# Altium PCB 延迟测试器.PcbDoc
Units mil, origin at the board's own origin, x right, y up, seen from the top; angles counter-clockwise.
Board outline 2134.39 x 1385.68 mil, 2 copper layers (Top Layer, Bottom Layer); 66 components, 49 nets, 282 pads, 193 vias.
Unrouted connection lines stored in the file: 163.
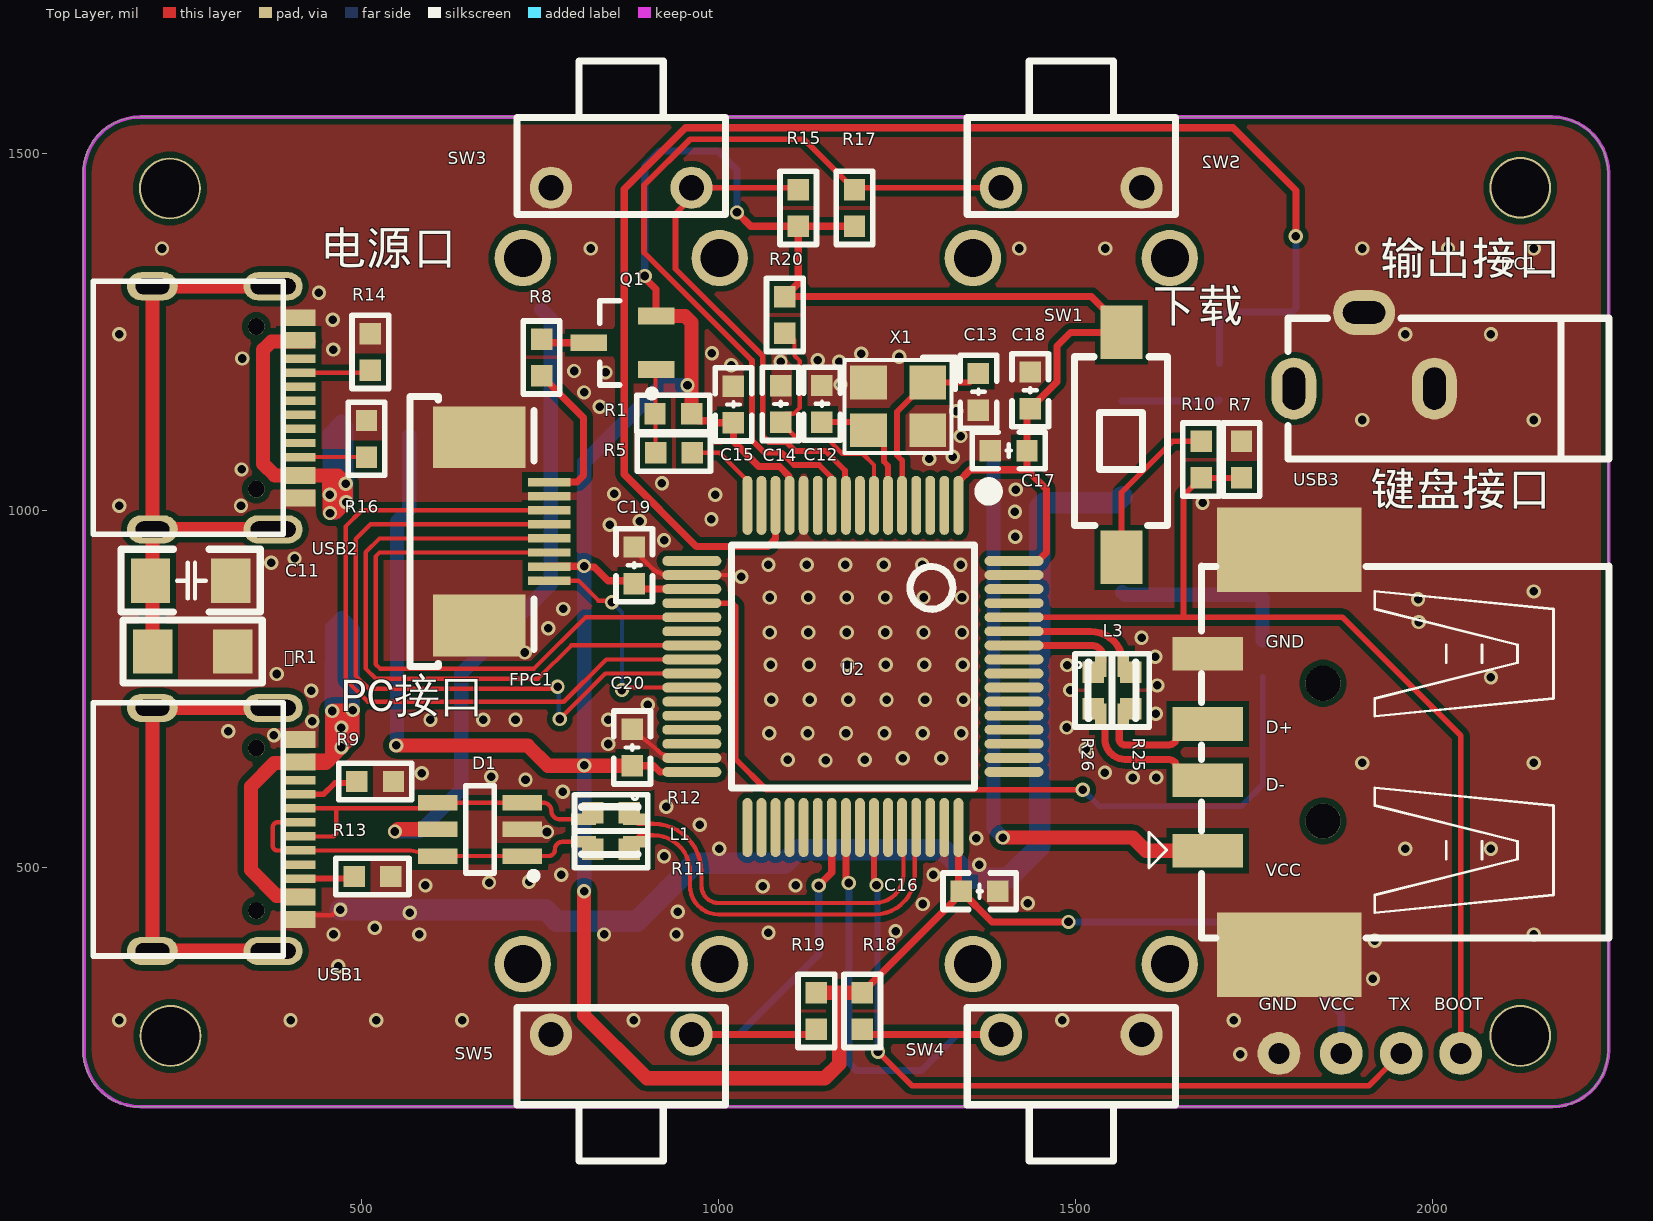
[diagram p0: Top Layer view]
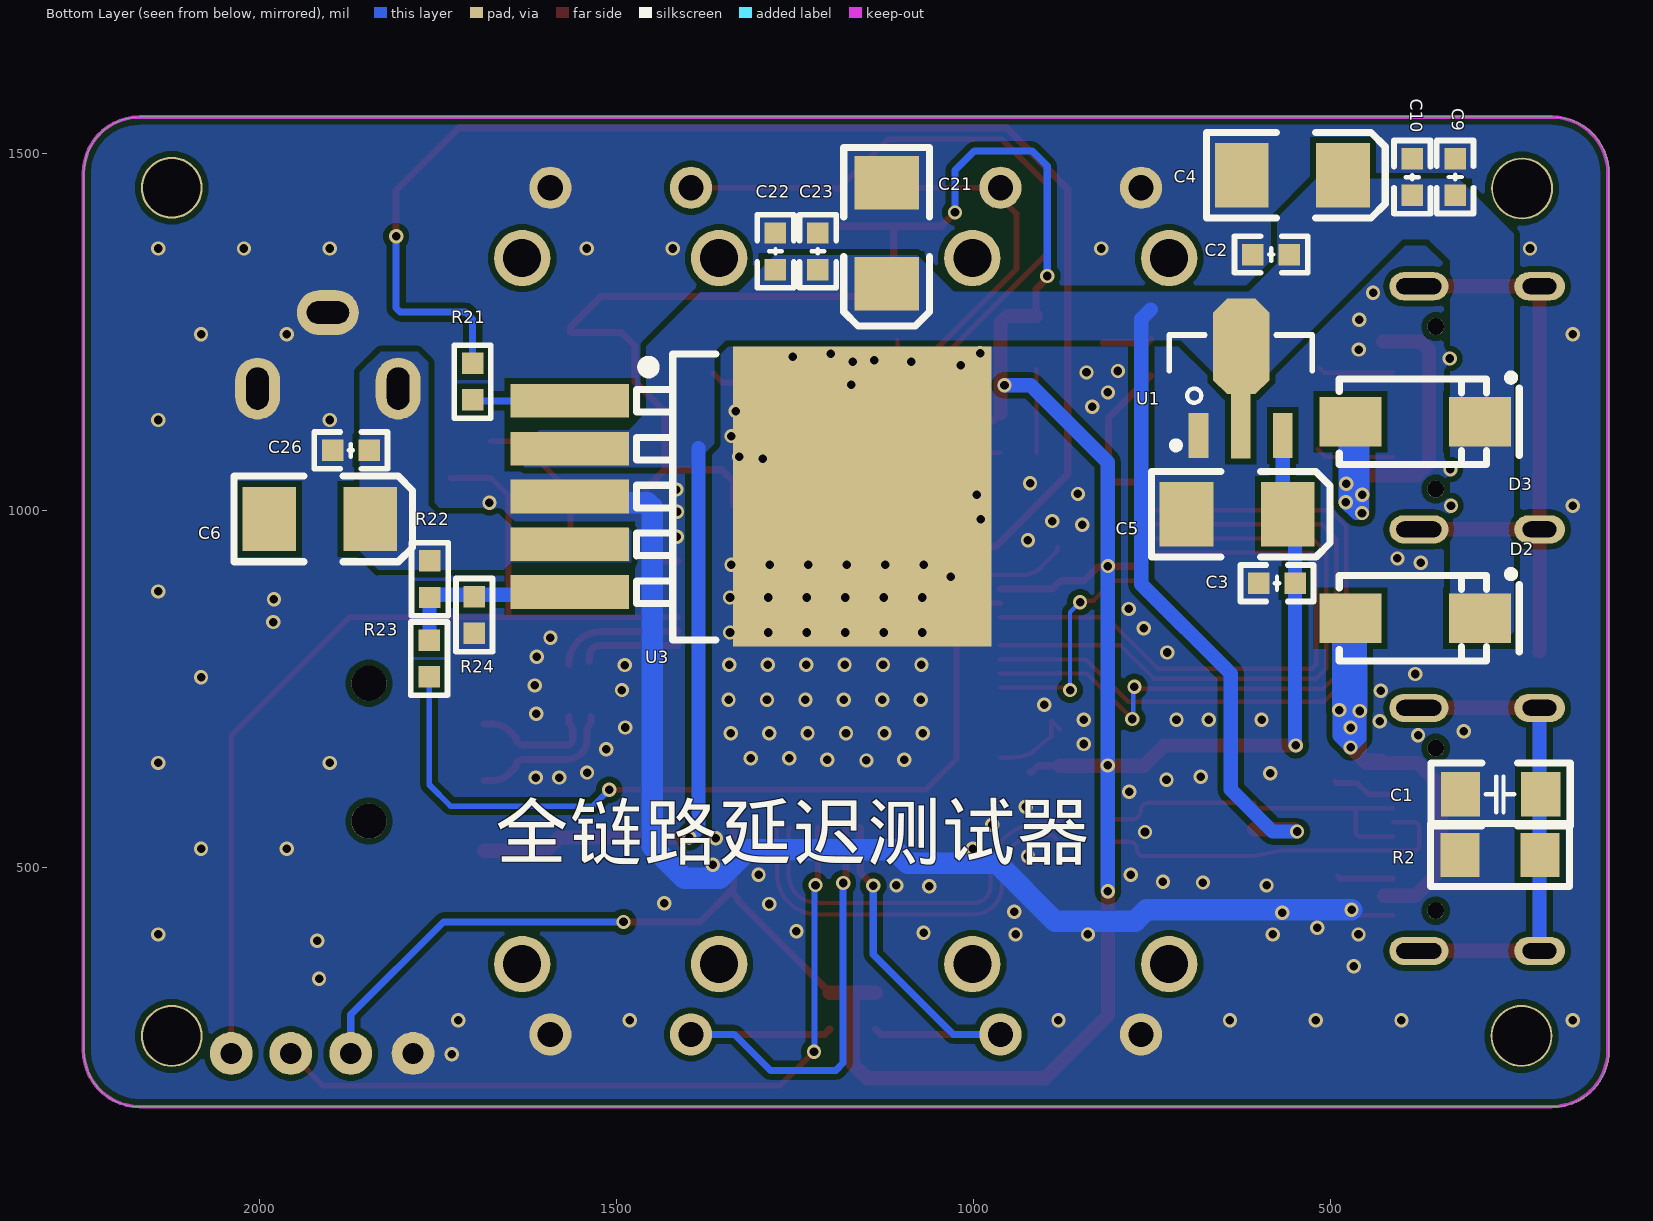
[diagram p1: Bottom Layer view, seen from below]
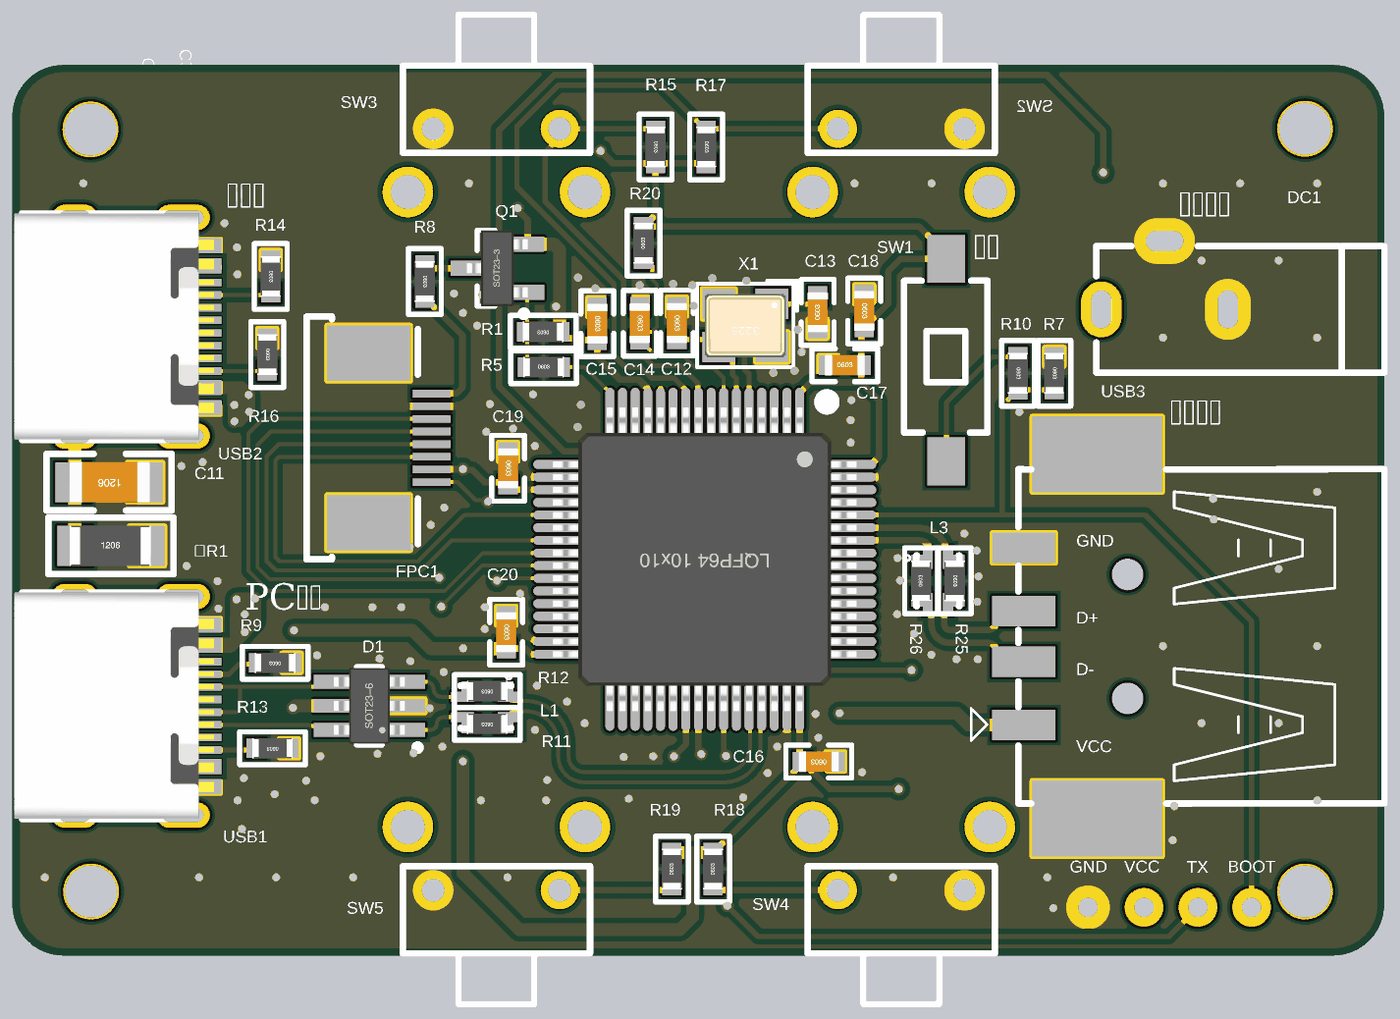
[diagram p2: 3D render of the assembled board from above, using the file's embedded part models]
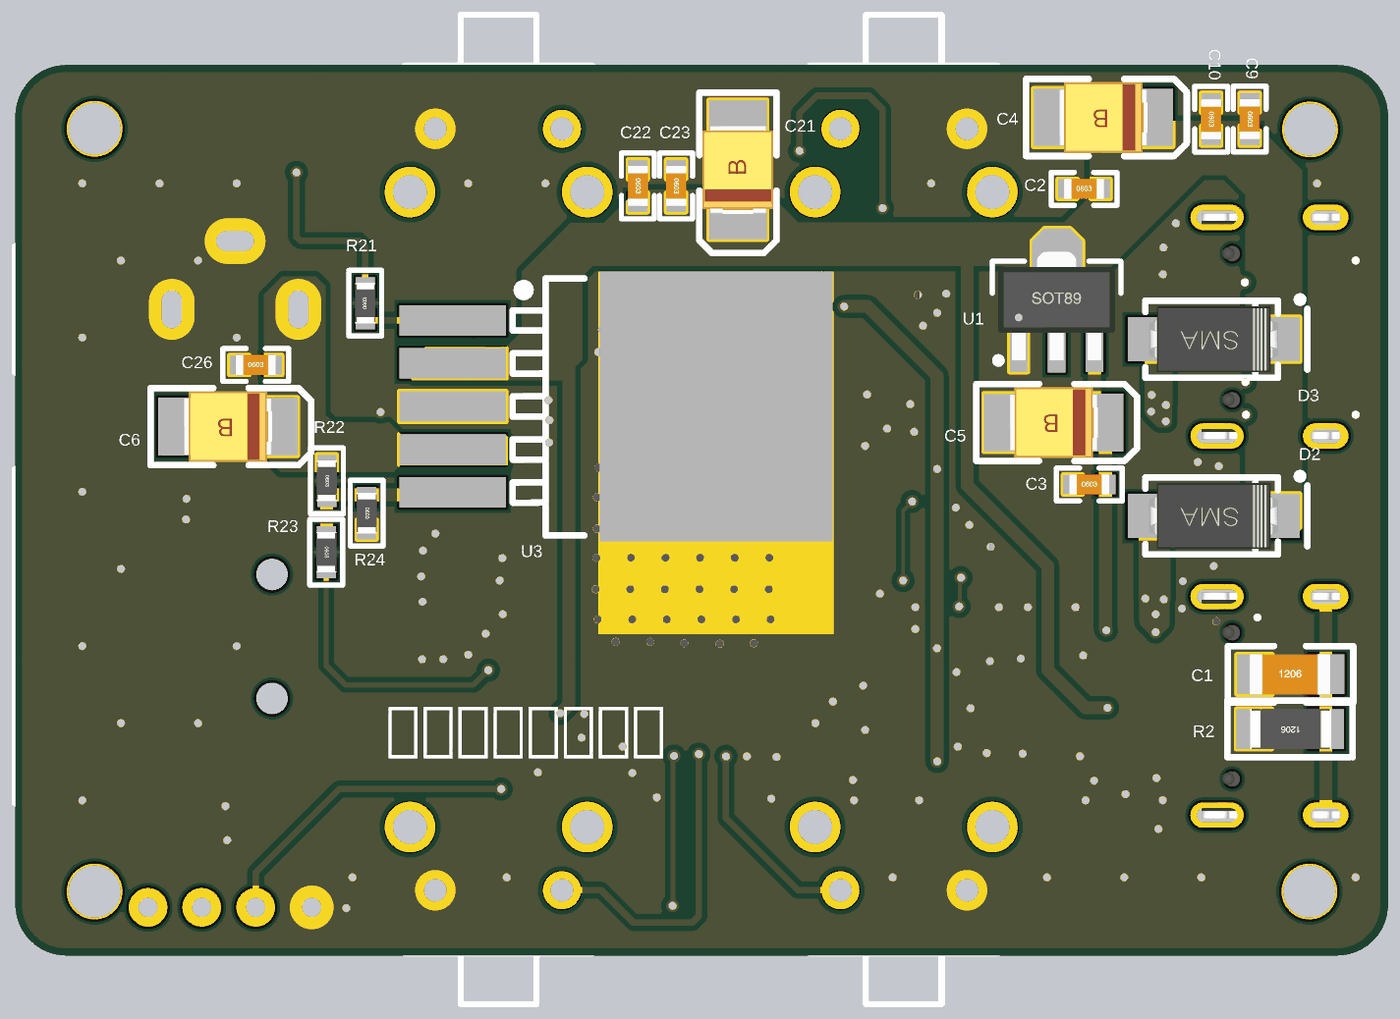
[diagram p3: 3D render of the assembled board from below, using the file's embedded part models]

## Layer stack, top to bottom
Top Solder: solder mask 0.4, Solder Resist, Dk 3.5
Top Layer: signal copper 1.4
Dielectric 1: dielectric 12.6, FR-4, Dk 4.8
Bottom Layer: signal copper 1.4
Bottom Solder: solder mask 0.4, Solder Resist, Dk 3.5

## Board outline
110.95,244.07 ccw(c189.95,244.07) 189.95,165.06 2166.33,165.06 ccw(c2166.33,244.07) 2245.34,244.07 2245.34,1471.73 ccw(c2166.33,1471.73) 2166.33,1550.74 189.95,1550.74 ccw(c189.95,1471.73) 110.95,1471.73

## Design rules (kind name [scope] priority, off if disabled: settings)
Clearance [All] p1: gap=8 ignorepadtopadclearanceinfootprint=TRUE except(6: Arc-SMDPad Track-SMDPad SMDPad-SMDPad; 7: Arc-Arc Arc-Track Track-Track)
ComponentClearance ComponentClearance_1 [InComponent('L3')] p1: gap=0 collisioncheckmode=3 verticalgap=0 showdistances=FALSE
ComponentClearance [All] p2: gap=0 collisioncheckmode=3 verticalgap=0 showdistances=FALSE
DiffPairsRouting [All] p1: maxlimit=10 minlimit=8 mostfreqgap=10 toplayer_minwidth=6 toplayer_maxwidth=15 toplayer_prefwidth=15 bottomlayer_minwidth=6 bottomlayer_maxwidth=15 bottomlayer_prefwidth=15 maxuncoupledlength=500
MinimumSolderMaskSliver [All] p1: minsoldermaskwidth=0
PolygonConnect [All] p1: connectstyle=Direct reliefconductorwidth=10 reliefentries=4 polygonreliefangle="90 Angle" airgapwidth=10
RoutingVias [All] p1: holewidth=12 width=20 viastyle="Through Hole" minholewidth=12 minwidth=20 maxholewidth=12 maxwidth=20
SilkToSolderMaskClearance [IsPad] p1: minsilkscreentomaskgap=1 clearancetoexposedcopper=TRUE
SolderMaskExpansion [All] p1: expansion=4 istentingtop=FALSE
Width [All] p1: maxlimit=100 minlimit=6 preferedwidth=10
26 further rules are at their usual default settings.

## Components (designator, comment, footprint, x,y, rotation, side; value= is the part's Value field where it differs from the comment)
R1 "1M" "R 1206_L" 263.25,802.5 r0 top
C1 "1000pF/2kV" "C 1206_L" 263.34,602.5 r180 bottom
C2 "100nF" "C 0603_L" 558,1358 r180 bottom
C3 "100nF" "C 0603_L" 549.82,898 r180 bottom
C4 "22uF钽电容" "CD B(3528)" 624.73,1469 r0 bottom
C5 "22uF钽电容" "CD B(3528)" 701.99,994.5 r0 bottom
C6 "47uF钽电容" "CD B(3528)" 1986,988 r0 bottom
C9 "10uF" "C 0603_L" 326,1441 r270 bottom
C10 "100nF" "C 0603_L" 386,1440.82 r270 bottom
C11 "1000pF/2kV" "C 1206_L" 262.34,901.5 r180 top
C12 "12pF" "C 0603_L" 1144.96,1123.58 r270 top
C13 "12pF" "C 0603_L" 1363.92,1191.51 r90 top
C14 "100nF" "C 0603_L" 1087.13,1123.39 r270 top
C15 "100nF" "C 0603_L" 1021.01,1122.65 r270 top
C16 "100nF" "C 0603_L" 1339.99,466.86 r180 top
C17 "100nF" "C 0603_L" 1431.91,1083.62 r0 top
C18 "10uF" "C 0603_L" 1436.46,1142.47 r270 top
C19 "10uF" "C 0603_L" 882.25,897.5 r270 top
C20 "10uF" "C 0603_L" 879.25,642.5 r270 top
C21 "22uF钽电容" "CD B(3528)" 1121.77,1458.75 r90 bottom
C22 "10uF" "C 0603_L" 1277.39,1337.04 r270 bottom
C23 "100nF" "C 0603_L" 1217.99,1337.04 r270 bottom
C26 "100nF" "C 0603_L" 1846,1084 r180 bottom
D1 "USBLC6-2SC6" SOT23-6M 725.36,590.9 r90 top
D2 "SS24" SMA 382,849 r180 bottom
D3 "SS24" SMA 382,1124 r180 bottom
DC1 "DC-002-2.0A-1.3" DC-IN-TH_DC-002-2.0A-1.3 1903.73,1223.65 r180 top locked
FPC1 "屏幕接口" FPC-SMD_AFC07-S08FCA-00 714.25,970.5 r270 top
L1 "90R/100MHZ/NC" 2012-L 811.25,567.5 r180 top
L3 "90R/100MHZ/NC" 2012-L 1535.24,711.67 r270 top
Q1 "SS8550" SOT23L 865.5,1234.5 r180 top
R1 "10k" "R 0603_L" 911.25,1135.5 r180 top
R2 "1M" "R 1206_L" 262.25,517.5 r0 bottom
R5 "1k" "R 0603_L" 963.25,1080.5 r0 top
R7 "10k" "R 0603_L" 1732.19,1045.54 r270 top
R8 "62R" "R 0603_L" 752.51,1188.33 r270 top
R9 "5.1k" "R 0603_L" 494.07,620.5 r180 top
R10 "1k" "R 0603_L" 1675.67,1045.35 r270 top
R11 "0R" "R 0603_L" 824.25,525.5 r180 top
R12 "0R" "R 0603_L" 824.25,576.5 r180 top
R13 "5.1k" "R 0603_L" 490.07,487.5 r180 top
R14 "5.1k" "R 0603_L" 512.86,1196.11 r270 top
R15 "10k" "R 0603_L" 1111.72,1397.66 r270 top
R16 "5.1k" "R 0603_L" 507.54,1074.6 r270 top
R17 "10k" "R 0603_L" 1190.49,1397.66 r270 top
R18 "10k" "R 0603_L" 1201.27,325.03 r90 top
R19 "10k" "R 0603_L" 1137.11,325.03 r90 top
R20 "10K" "R 0603_L" 1093,1299.18 r90 top
R21 "1k" "R 0603_L" 1701.25,1205.68 r90 bottom
R22 "10k" "R 0603_L" 1761,878 r270 bottom
R23 "10k" "R 0603_L" 1762,767 r270 bottom
R24 "10k" "R 0603_L" 1699,827.82 r270 bottom
R25 "0R" "R 0603_L" 1577.24,722.5 r270 top
R26 "0R" "R 0603_L" 1524.74,773.68 r90 top
SW1 "3x6x5" SW-SMD_L6.0-W3.3-LS8.0 1564.12,1091.53 r270 top
SW2 "3x6x5" SW-TH_4P-L7.4-W5.0-P5.0#1 1493.96,1402.29 r0 top locked
SW3 "3x6x5" SW-TH_4P-L7.4-W5.0-P5.0#2 864.04,1402.29 r180 top locked
SW4 "3x6x5" SW-TH_4P-L7.4-W5.0-P5.0#2 1493.96,315.71 r0 top locked
SW5 "3x6x5" SW-TH_4P-L7.4-W5.0-P5.0#1 864.04,315.71 r180 top locked
U1 "CE6210A33P" SOT89-3 567.2,1104.63 r180 bottom
U2 "CH32V305RBT6" "LQFP64 10x10_M" 1188.25,781.5 r180 top locked
U3 "D2652-AD" TO-263-5_L10.2-W8.9-P1.70-TL-LS15.2 1360.55,1019.43 r180 bottom
USB1 "USB TYPE C" "TYPE-C 16PIN 2MD(073)" 310.25,553.5 r270 top
USB2 "USB TYPE C" "TYPE-C 16PIN 2MD(073)" 310.25,1143.5 r270 top
USB3 "USB母座" USB-A/S_B 1846.25,661.5 r90 top locked
X1 "24MHZ" "OSC 3225-4P" 1210.05,1178.89 r180 top

## Footprints (in the part's own frame and the unit in brackets; to place one, negate y for a bottom-side part, rotate by r counter-clockwise, add the part's x,y. Pads: shape width x height; smd on the part's side, far side on the other; paste and mask are expansions set on the pad)
2012-L [mm]
  rect 0.9x0.4 smd: 1(-1.85,0) 2(0,0) 3(0,0.8) 4(-1.85,0.8)
  silkscreen extent -1.93,-0.9 0.07,1.25
"C 0603_L" [mil]
  rect 30x30 smd: 1(-51.18,0) 2(0,0)
  silkscreen extent -77,-26 26,26, body extent -57,-16 6,16, height 32
"C 1206_L" [mil] "无极性贴片电容"
  rect 55x62 smd: 1(-55.12,0) 2(57.09,0)
  silkscreen extent -96,-44 98,44, body extent -63,-32 63,32, height 48
"CD B(3528)" [mil] "长3.5mm，宽2.8mm，厚1.9mm"
  rect 75x90 smd: 1(-141.73,0) 2(0,0)
  silkscreen extent -201,-60 49,60, body extent -140,-55 -2,55, height 75
DC-IN-TH_DC-002-2.0A-1.3 [mm]
  oval 1.6x2.2 hole 0.8 slot 1.5 at 90 deg: 1(2.5,1.35) 2(-2.5,1.35)
  oval 2.2x1.6 hole 0.8 slot 1.5 at 0 deg: 3(0,-1.35)
  silkscreen extent -8.7,-1.15 2.7,3.85
FPC-SMD_AFC07-S08FCA-00 [mm]
  rect 0.3x1.5 smd: 1(-1.751,1.243) 2(-1.252,1.243) 3(-0.753,1.243) 4(-0.252,1.243) 5(0.248,1.243) 6(0.748,1.243) 7(1.249,1.243) 8(1.749,1.243)
  rect 2.2x3.3 smd: 9(-3.35,-1.243) 10(3.35,-1.243)
  silkscreen extent -4.8,-3.7 4.8,0.7
"LQFP64 10x10_M" [mm] "64脚，体宽10x10mm，脚距0.5mm"
  oval 0.35x2.1 smd: 1(-3.75,-5.727) 2(-3.25,-5.727) 3(-2.75,-5.727) 4(-2.25,-5.727) 5(-1.75,-5.727) 6(-1.25,-5.727) 7(-0.75,-5.727) 8(-0.25,-5.727) 9(0.25,-5.727) 10(0.75,-5.727) 11(1.25,-5.727) 12(1.75,-5.727) 13(2.25,-5.727) 14(2.75,-5.727) 15(3.25,-5.727) 16(3.75,-5.727) 33(3.75,5.727) 34(3.25,5.727) 35(2.75,5.727) 36(2.25,5.727) 37(1.75,5.727) 38(1.25,5.727) 39(0.75,5.727) 40(0.25,5.727) 41(-0.25,5.727) 42(-0.75,5.727) 43(-1.25,5.727) 44(-1.75,5.727) 45(-2.25,5.727) 46(-2.75,5.727) 47(-3.25,5.727) 48(-3.75,5.727)
  oval 2.1x0.35 smd: 17(5.727,-3.75) 18(5.727,-3.25) 19(5.727,-2.75) 20(5.727,-2.25) 21(5.727,-1.75) 22(5.727,-1.25) 23(5.727,-0.75) 24(5.727,-0.25) 25(5.727,0.25) 26(5.727,0.75) 27(5.727,1.25) 28(5.727,1.75) 29(5.727,2.25) 30(5.727,2.75) 31(5.727,3.25) 32(5.727,3.75) 49(-5.727,3.75) 50(-5.727,3.25) 51(-5.727,2.75) 52(-5.727,2.25) 53(-5.727,1.75) 54(-5.727,1.25) 55(-5.727,0.75) 56(-5.727,0.25) 57(-5.727,-0.25) 58(-5.727,-0.75) 59(-5.727,-1.25) 60(-5.727,-1.75) 61(-5.727,-2.25) 62(-5.727,-2.75) 63(-5.727,-3.25) 64(-5.727,-3.75)
  silkscreen extent -5.08,-6.47 4.32,4.32, body extent -6,-6 6,6, height 1.45
"OSC 3225-4P" [mm] "3.2*2.5*0.7mm(长宽高)"
  rect 1.3x1.2 smd: 1(-2.1,0) 2(0,0) 3(0,1.7) 4(-2.1,1.7)
  silkscreen extent -3.08,-0.9 0.85,2.5, body extent -2.65,-0.4 0.55,2.1, height 0.7
"R 0603_L" [mil]
  rect 30x30 smd: 1(-51.18,0) 2(0,0)
  silkscreen extent -77,-26 26,26, body extent -57,-16 6,16, height 16
"R 1206_L" [mil] "1/4W贴片电阻"
  rect 55x62 smd: 1(-55.12,0) 2(57.09,0)
  silkscreen extent -96,-44 98,44, body extent -63,-31 63,32, height 22
SMA [mm] "4.5x2.6*2.2mm（长宽高，不包括引脚）联系卖家 免费查找封装"
  rect 2.2x1.75 smd: 1(-2.3,0) 2(2.3,0)
  silkscreen extent -2.7,-1.52 3.7,1.7, body extent -2.55,-1.3 2.55,1.3, height 2.15
SOT23-6M [mm] "3x1.6x1.1mm(长宽高)"
  rect 0.55x1.4 smd: 1(-1.9,0) 2(-0.95,0) 3(0,0) 4(0,3) 5(-0.95,3) 6(-1.9,3)
  silkscreen extent -2.73,-0.53 0.6,2.01, body extent -2.45,0.1 0.55,2.9, height 1.15
SOT23L [mm] "SOT23, 3-Leads, Body 2.9x1.3mm, Pitch 0.95mm, Lead Span 2.4mm, IPC Medium Density  联系卖家 免费查找封装"
  rect 1.3x0.6 smd: 1(-1.2,0.95) 2(-1.2,-0.95) 3(1.2,0)
  silkscreen extent -1.18,-1.5 0.8,1.92, body extent -1.2,-1.5 1.2,1.5, height 1.05
SOT89-3 [mm] "4.6x4.3x1.6mm(长宽高)"
  rect 0.7x1.6 smd: 1(-3,0) 3(0,0)
  rect 0.7x2.4 smd: 2(-1.5,0.378)
  oct 2x3.4 smd: 2(-1.475,3.172)
  silkscreen extent -4.04,-0.47 1.04,3.58, body extent -3.8,-0.35 0.8,3.95, height 1.6
SW-SMD_L6.0-W3.3-LS8.0 [mm]
  rect 1.9x1.5 smd: 1(-4,0) 2(4,0)
  silkscreen extent -3.14,-1.67 2.86,1.63
SW-TH_4P-L7.4-W5.0-P5.0#1 [mm]
  round 1.5 hole 0.9 paste-2539.97 mask+0.05: 1(-2.5,1.25) 2(2.5,1.25)
  round 2 hole 1.35 paste-2539.97 mask+0.05: 3(3.5,-1.25) 4(-3.5,-1.25)
  silkscreen extent -3.7,0.3 3.7,5.75
SW-TH_4P-L7.4-W5.0-P5.0#2 [mm]
  round 1.5 hole 0.9 paste-2539.97 mask+0.05: 1(-2.5,-1.25) 2(2.5,-1.25)
  round 2 hole 1.35 paste-2539.97 mask+0.05: 3(3.5,1.25) 4(-3.5,1.25)
  silkscreen extent -3.7,-5.75 3.7,-0.3
TO-263-5_L10.2-W8.9-P1.70-TL-LS15.2 [mm]
  rect 4.2x1.2 smd: 1(-5.199,3.4) 2(-5.199,1.7) 3(-5.199,0) 4(-5.199,-1.7) 5(-5.199,-3.4)
  rect 9.2x10.668 smd paste+0 mask+0.05: 6(5.199,0)
  silkscreen extent -2.83,-5.1 0,5.06
"TYPE-C 16PIN 2MD(073)" [mm]
  oval 1x2.1 hole 0.56 slot 1.6 at 90 deg: A0(-4.32,1.69) A0(4.32,1.69)
  oval 1x1.8 hole 0.56 slot 1.2 at 90 deg: A0(-4.32,-2.6) A0(4.32,-2.6)
  rect 0.3x1.2 smd mask+0.051: A1(-3.35,2.6) A4(-2.55,2.6) A5(-1.25,2.6) A6(-0.25,2.6) A7(0.25,2.6) A8(1.25,2.6) A9(2.55,2.6) A12(3.35,2.6) B1(3.05,2.6) B4(2.25,2.6) B5(1.75,2.6) B6(0.75,2.6) B7(-0.75,2.6) B8(-1.75,2.6) B9(-2.25,2.6) B12(-3.05,2.6)
  round 0.6 hole 0.6 unplated: ""(-2.89,1.09) ""(2.89,1.09)
  silkscreen extent -4.5,-4.7 4.5,2.05, body extent -4.48,-5 4.46,2.9, height 3.25
USB-A/S_B [mm] "A型贴片母头，"
  rect 1.2x2.5 smd: 1(-3.5,4.1) 2(-1,4.1) 3(1,4.1) 4(3.5,4.1)
  rect 3x5.15 smd: 5(7.2,1.2) 6(-7.2,1.2)
  round 1.25 hole 1.25 unplated: 7(-2.45,0) 8(2.45,0)
  silkscreen extent -6.6,-10.16 6.61,6.19, body extent -7.75,-9.9 7.75,4.8, height 6.9

## Part data
R1 R1 R2 R5 R7 R8 R10 R11 R12 R15 R17 R18 R19 R20 R21 R22 R23 R24 R25 R26: library part R, "贴片电阻"
C1 C9 C10 C11 C12 C13 C14 C15 C16 C17 C18 C19 C20 C23 C26: library part C, "无极性贴片电容"
C2 C3: library part CC0603KRX7R9BB104, "容值:100nF;精度:±10%;额定电压:50V;材质(温度系数):X7R;", JLCPCB Part Class="Basic Part", LCSC Part Name="100nF ±10% 50V", Manufacturer=YAGEO(国巨), Temperature Coefficient=X7R, Tolerance=±10%, Voltage Rated=50V, Add into BOM=yes, Convert to PCB=yes, Datasheet=https://atta.szlcsc.com/upload/public/pdf/source/20180910/C282072_33301C7F631E79921B82A8DAC6BCC5B3.pdf, Device=CC0603KRX7R9BB104, Manufacturer Part=CC0603KRX7R9BB104, Supplier=LCSC, Supplier Footprint=0603, Supplier Part=C14663, Symbol=capacitance
C4 C5 C6 C21: library part C-CD, "贴片钽电容"
C22: library part C_2, "无极性贴片电容"
D1: "TVS/ESD"
D2 D3: library part 1N5819WS, "肖特基二极管"
DC1: Current Rating=2A, JLCPCB Part Class="Extended Part", LCSC Part Name="DC电源插座 内径:1.3mm 外径:4.2mm", Manufacturer="XKB Connection(中国星坤)", Operating Temperature=-20℃~+70℃, Voltage Rating (Max)=24V, Add into BOM=yes, Connector Type=DC电源插座, Convert to PCB=yes, Datasheet=https://item.szlcsc.com/datasheet/DC-002-2.0A-1.3/353351.html, Device=DC-002-2.0A-1.3, Inside Contact Diameter=1.3mm, Manufacturer Part=DC-002-2.0A-1.3, Mounting Type=弯插, Outside Contact Diameter=4.2mm, Supplier=LCSC, Supplier Footprint=插件, Supplier Part=C381119, Symbol=DC-002-2.0A-1.3
FPC1: library part AFA07-S08FCA-00, JLCPCB Part Class="Extended Part", LCSC Part Name="间距:1mm P数:8P 抽屉式 下接", Manufacturer=JS(钜硕电子), Add into BOM=yes, Contact Type=下接, Convert to PCB=yes, Datasheet=https://atta.szlcsc.com/upload/public/pdf/source/20191217/C262716_30B15E9A77BFCA4A54741C92DB3BE8CC.pdf, Device=AFA07-S08FCA-00, FFC, FCB Thickness=0.3mm, Height Above Board=2.5mm, Locking Feature=抽屉式, Manufacturer Part=AFA07-S08FCA-00, Mounting Type=卧贴, Number of Contacts=8P, Pitch=1mm, Supplier=LCSC, Supplier Footprint=SMD,P=1mm,卧贴, Supplier Part=C262714, Symbol=AFA07-S08FCA-00
L1 L3: library part YLM2012-900T, Current Rating=400mA, DC Resistance (DCR)=300mΩ, Impedance @ Frequency=90Ω@100MHz, JLCPCB Part Class="Extended Part", LCSC Part Name="两路 贴片共模滤波器 阻抗90Ω@100MHz", Manufacturer=YJYCOIN(益嘉源), Operating Temperature=-40℃~+125℃, Voltage Rating - DC=50V, Add into BOM=yes, Convert to PCB=yes, Datasheet=https://atta.szlcsc.com/upload/public/pdf/source/20201116/C917646_392008C7B4F7EEB978DDFC288C44F8F3.pdf, Device=YLM2012-900T, Manufacturer Part=YLM2012-900T, Number of Lines=2, Supplier=LCSC, Supplier Footprint=SMD,2x1.2x1.2mm, Supplier Part=C917646, Symbol=YLM2012-900T
Q1: library part 8550-SMD, "高频放大-PNP型", BOM名称=高频放大-PNP型, 学习资源=www.ooocke.com, 属性="40V 1.5A 1W 100MHZ", 版权归属=源创客
R9 R13 R14 R16: library part Res, "贴片电阻(Res)"
SW1 SW2 SW3 SW4 SW5: library part "TSW 3x6", "3x6轻触开关", BOM名称=3x6轻触开关, 学习资源=www.ooocke.com, 版权归属=源创客
U1: library part CE6200A33P, Add into BOM=yes, Check=false, Convert to PCB=yes, Device=CE6200A33P, Symbol=CE6200A33P
U2: "微控制器/MCU"
U3: Manufacturer=Silicore(芯谷), Operating Temperature=-40℃~+125℃@(Tj), Output Current=5A, Output Voltage=1.24V~15V, standby current=15mA, Voltage - Supply=26V, Voltage Dropout=560mV@(5A), Add into BOM=yes, Convert to PCB=yes, Datasheet=https://atta.szlcsc.com/upload/public/pdf/source/20240301/4921E6B6D5A71F2B3F735310CA9A4D4F.pdf, Device=D2652-AD, Features=过流保护；反接保护；带使能；过热保护, LCSC Part Name=D2652-AD, Manufacturer Part=D2652-AD, Noise=400uVrms, Output Configuration=正极, Output Type=可调, Supplier=LCSC, Supplier Footprint=TO-263-5, Supplier Part=C2837289, Symbol=D2652-AD
USB1 USB2: library part TYPE-C-16, "USB连接器(Type-C)"
USB3: library part USB-A/S, "USB-A型母接口", BOM名称=USB-A型母接口, 学习资源=www.ooocke.com, 版权归属=源创客
X1: "晶振/24Mhz"

## Free pads (board coordinates)
  round 86.61 hole 81.1: 6(2122.25,1451.5) 7(2122.25,264.5) 8(233.25,264.5) 9(232.25,1450.5)
  round 60 hole 30: 10(2039.08,239.85) 11(1784.59,239.85) 12(1871.7,239.85) ""(1955.65,239.85)

## Via types
v1: diameter 20, hole 12, Top Layer to Bottom Layer, tented both sides, 193 vias

## Nets (pads, with @x,y where several pads share a name; then routed paths per layer and width w, separated by ;. In a path a pad name is that pad's centre, name@x,y a point inside that pad or via, vN(x,y) a via of type N, cw(c..) or ccw(c..) an arc to the next point about the centre after c; other vN are vias at no path point)
BLK: FPC1.1 R8.2 | length 215.6
  Top Layer w10: R8.2 811.11,1129.73 811.11,1048.84 802.12,1039.86 763.6,1039.86 FPC1.1
BOOT: pad.10 R7.2 R10.2 U2.60 | length 1400.7
  Top Layer w8: U2.60 1413.83,850.5 1651.04,850.5 ; R7.2 1732,1045.35 R10.2 1651.04,1020.73 1651.04,850.5 ; pad.10 2039.08,684.92 1873.5,850.5 1651.04,850.5
CS: FPC1.8 U2.26 | length 328.3
  Top Layer w6: FPC1.8 804,901.64 832,873.64 848.76,873.64 v1(851,871.4) ; v1(864.99,748.51) 867.66,751.19 874.71,751.19 875.5,751.97 U2.26
  Bottom Layer w6: v1(851,871.4) 864.99,857.41 v1(864.99,748.51)
D+: D1.1 D1.6 L1.3 R11.2 USB1.A6 USB1.B6 | length 517.4
  Top Layer w6: USB1.A6 412.62,563.5 383.25,563.5 ccw(c383.25,556.5) 376.25,556.5 376.25,530.5 ccw(c382.78,530.5) 382.78,523.97 USB1.B6 569.29,523.97 D1.6 D1.1 761.85,516.1 ccw(c761.85,525.5) 771.25,525.5 cw(c781.76,525.5) 781.76,536.01 L1.3
D-: D1.3 D1.4 L1.2 R12.2 USB1.A7 USB1.B7 | length 506
  Top Layer w6: USB1.A7 459.41,543.66 ccw(c459.41,549.5) 465.25,549.5 465.25,583.03 ; USB1.B7 465.25,583.03 ; L1.2 778.25,567.5 cw(c778.25,579.5) 766.25,579.5 ccw(c754.85,579.5) 754.85,590.9 D1.3 D1.4 cw(c599.38,590.9) 599.38,583.03 465.25,583.03
DAC: R23.2 U2.20 | length 1205.3
  Top Layer w8: U2.20 1019.31,870.08 1024,865.4 1024,652 1067,609 v1(1510,609)
  Bottom Layer w8: v1(1510,609) 1533,586 1732,586 1762,616 R23.2
DC: FPC1.4 U2.25 | length 1019
  Top Layer w6: FPC1.4 513.19,980.44 492.25,959.5 492.25,768.93 510.68,750.5 772.42,750.5 v1(774.96,753.04) ; v1(778,708) 841.66,771.66 U2.25
  Bottom Layer w6: v1(774.96,753.04) 776.5,751.5 776.5,709.5 v1(778,708)
EN: R21.2 U2.14 | length 2055.6
  Top Layer w10: U2.14 1079.99,960.23 1069.25,949.5 969.15,949.5 868.25,1050.39 868.25,1449.88 953.87,1535.5 1720.25,1535.5 1808.25,1447.5 v1(1808.25,1383.5)
  Bottom Layer w10: R21.2 1701.25,1267.5 1711.25,1277.5 1802.4,1277.5 1808.25,1283.36 v1(1808.25,1383.5)
FD+: L3.3 R25.2 USB3.3 | length 174.5
  Top Layer w10: L3.3 1566.73,705.89 cw(c1556.93,705.89) 1563.86,698.96 ccw(c1570.8,692.02) 1560.99,692.02 1560.99,680 ccw(c1569.49,680) 1569.49,671.5 1628.93,671.5 ccw(c1628.93,685.6) 1638.9,675.63 ccw(c1634.72,679.8) 1640.62,679.8 cw(c1646.53,679.8) USB3.3@1642.34,683.97 ; USB3.3@1642.35,683.98 1649.94,691.56 cw(c1672.41,669.08) 1672.41,700.87 USB3.3
FD-: L3.2 R26.1 USB3.2 | length 205.9
  Top Layer w10: L3.2 1535.24,705.89 ccw(c1545.05,705.89) 1538.12,698.96 cw(c1531.18,692.02) 1540.99,692.02 1540.99,680 ccw(c1569.49,680) 1569.49,651.5 1628.93,651.5 cw(c1628.93,637.4) 1638.9,647.37 cw(c1634.72,643.2) 1640.62,643.2 ccw(c1646.53,643.2) USB3.2@1642.34,639.03 ; USB3.2@1642.35,639.02 1649.94,631.44 ccw(c1672.41,653.92) 1672.41,622.13 USB3.2
FDM: 
GND: C6.2
GND: R1.2 C1.1 C2.1 C3.1 C4.2 C5.2 C9.1 C10.1 C11.1 C12.1 C13.1 C14.1 C15.1 C16.1 C17.1 C18.1 C19.1 C20.1 C21.2 C22.1 C23.1 C26.1 D1.2 DC1.2 DC1.3 FPC1.2 FPC1.9 FPC1.10 pad.11 R2.2 R7.1 R9.1 R13.1 R14.1 R16.1 R24.2 SW2.2 SW3.2 SW4.2 SW5.2 U1.1 U2.12 U2.18 U2.31 U2.47 U2.63 U3.3 U3.6 USB1.A1 USB1.A12 USB1.B1 USB1.B12 USB2.A1 USB2.A12 USB2.B1 USB2.B12 USB3.4 USB3.5 USB3.6 X1.2 X1.4 | length 2014.2
  Top Layer w6: USB1.B1 459.63,433.42 467.21,441 v1(471,441) ; C20.1 891.25,705.68 891.25,683.54 cw(c888.63,678.14) 892.43,682.79 915.32,663.85 cw(c911.53,659.21) 916.11,663.08 ccw(c928.33,673.23) 927.09,657.39 cw(c926.63,651.41) 928.55,657.09 ccw(c949.96,719.96) 949.96,653.55 U2.31 ; C19.1 ccw(c894.76,948.68) 885.92,939.84 905.25,920.5 ccw(c931.92,947.17) 931.92,909.45 U2.18 1026.08,909.45 cw(c1026.08,901.08) v1(1032,907) ; v1@1090.85,653.55 cw(c1090.85,644.85) v1(1097,651)
  Bottom Layer w30: v1(471,441) 758,441 774,425 886,425 967,506 1092,506 1111,525 1315,525 1355,485 1405,485 1450,530 1450,1004.43 1456.38,1010.81 1556.63,1010.81 U3.3
  other v1: 1730.59,238.69 161.25,286.5 401.25,286.5 521.25,286.5 641.25,286.5 881.25,286.5 1481.25,286.5 1721.25,286.5 1916.12,344.41 468,362 1918.77,397.45 461.25,406.5 581.25,406.5 840,406.5 941.25,406.5 2141.25,406.5 1070,409 1248,411 519,416 568,437 943,438 1286,449 1433,450 1062,474 590,475 1108,475 679,479 735,480 780,490 1301,490 1365,504 924,516 1001.25,526.5 1961.25,526.5 2081.25,526.5 1360.78,540.95 760.16,549.77 974,560 927,585 782,606 730,623 1580,626 1613,626 682,627 585,632 1541,633 1901.25,646.5 2141.25,646.5 1150,650 1205,651 1258,653 1312,653 1514.07,665.76 846,673 377.89,685.11 1071,688 1124.8,688 1178.6,688 1232.4,688 1286.2,688 1340,688 314,691 1487.53,696.1 431.39,704.82 597,707 671,707 716,707 846,707 1612.25,715.5 901,728 1074,735 1127.8,735 1181.6,735 1235.4,735 1289.2,735 1343,735 430,747.44 1492.25,748.5 1614.28,754.95 2081.25,766.5 382,771 1073,784 1126.8,784 1180.6,784 1234.4,784 1288.2,784 1342,784 1488.25,783.5 1611.55,795 729,801 1592.25,821.5 1072,829 1125.8,829 1179.6,829 1233.4,829 1287.2,829 1341,829 762,835 1980.17,843.67 783,862 1979.28,875.61 1072,878 1125.8,878 1179.6,878 1233.4,878 1287.2,878 1341,878 2141.25,886.5 1070,924 1123.8,924 1177.6,924 1231.4,924 1285.2,924 1339,924 373.98,926.47 406.81,932.75 924,958 1415.3,963.24 848,980 890,985 990.3,987.5 1415.04,997.99 161.25,1006.5 331.88,1006.51 1677.63,1010.61 995.5,1021.97 854,1023 1416.33,1029.11 921,1038 332.64,1057.27 1295,1072 1328,1075 1339,1104 1901.25,1126.5 2141.25,1126.5 1333,1139 834,1145 812,1165 1171,1176 842,1193 798,1195 1018,1203 1087,1208 1169,1208 1139,1210 333.69,1212.51 1253,1215 1200,1219 991,1220 461,1225 161.25,1246.5 1961.25,1246.5 2081.25,1246.5 460.23,1266.87 440.9,1304.62 221.25,1366.5 821.25,1366.5 1421.25,1366.5 1541.25,1366.5 1901.25,1366.5 2021.25,1366.5 2141.25,1366.5
IN: C13.2 U2.5 X1.1 | length 270.2
  Top Layer w8: U2.5 1257.15,1069.85 1250,1077 1250,1138.13 1290.76,1178.89 X1.1 1351.3,1178.89 C13.2
LDO_INPUT: C2.2 C4.1 C9.2 C10.2 C21.1 C22.2 C23.2 D1.5 D2.2 D3.2 U1.2 U3.2 USB3.1 | length 1752.5
  Top Layer w20: v1(547.25,550.5) 548.34,550.5 551.34,553.5 D1.5 ; v1(1398,542) 1580,542 1598.4,523.6 1684.73,523.6 USB3.1
  Bottom Layer w20: v1(547.25,550.5) 581.5,550.5 640.25,609.25 640.25,771.5 765.25,896.5 765.25,1267.75 752,1281 ; 1385,1087.04 1385,555 v1(1398,542)
LDO_VOUT: C6.1 C26.2 DC1.1 R22.1 U3.4
LEDA_EN: R5.2 U2.16 | length 128
  Top Layer w6: R5.2 1001.54,1080.5 1040.62,1041.42 U2.16
NetQ1_1: Q1.1 R1.2 R5.1 | length 117.3
  Top Layer w6: R5.1 912.07,1197.1 Q1.1
NetQ1_3: Q1.3 R8.1 | length 67.8
  Top Layer w10: R8.1 757.52,1234.5 Q1.3
NetR9_2: R9.2 USB1.A5 | length 88.8
  Top Layer w8: USB1.A5 447.47,602.71 463.25,618.5 492.07,618.5 R9.2
NetR10_1: R10.1 SW1.2 | length 232.1
  Top Layer w8: SW1.2 1564.12,1025 1635.65,1096.53 R10.1
NetR13_2: R13.2 USB1.B5 | length 78.7
  Top Layer w8: USB1.B5 487.18,484.6 R13.2
NetR14_2: R14.2 USB2.A5 | length 106.4
  Top Layer w6: USB2.A5 509.47,1192.71 R14.2@516.25,1199.5
NetR16_2: R16.2 USB2.B5 | length 110.1
  Top Layer w6: USB2.B5 R16.2 R16.2@518.25,1085.32
NetR21_1: R21.1 U3.1 | length 136.5
  Bottom Layer w10: U3.1 1700.04,1153.29 R21.1
NetR22_2: R22.2 R23.1 R24.1 U3.5 | length 259.1
  Bottom Layer w20: U3.5 1569.04,881.79 1757.21,881.79 R22.2 1761.5,877.5 1761.5,818.68 R23.1
NRST: C14.2 R20.1 U2.7 | length 353.5
  Top Layer w6: R20.1@1106.55,1238.82 1106.55,1216.45 1114,1209 1114,1143.76 1105.63,1135.39 1095.13,1135.39 1085.13,1125.39 1083.13,1123.39 C14.2 1107.62,1102.9 1107.62,1102.73 1113.35,1097 1155.8,1097 1173.46,1079.34 1201.92,1079.34 1217.78,1063.48 U2.7
OUT: C12.2 U2.6 X1.3 | length 185.7
  Top Layer w8: C12.2 1182,1123.58 cw(c1182,1083.91) X1.3 1212.02,1111.96 1231.64,1092.34 1231.64,1068.36 1237.47,1062.53 U2.6
RESET: FPC1.3 U2.24 | length 1030.7
  Top Layer w6: FPC1.3 500.89,1000.14 478.25,977.5 478.25,763.13 509.38,732 783.62,732 842.96,791.34 U2.24
SG: C1.2 R2.1 USB1.A0 | length 1018.1
  Top Layer w20: USB1.A0@376.79,383.42 207.89,383.42 207.89,723.58 USB1.A0@376.79,723.58
  Bottom Layer w20: USB1.A0@207.89,383.42 USB1.A0@207.89,723.58
SG1: R1.1 C11.2 USB2.A0 | length 849
  Top Layer w20: R1.1 208.01,802.62 208.01,973.3 USB2.A0@207.89,973.42 ; USB2.A0@376.79,973.42 USB2.A0@207.89,973.42 ; USB2.A0@376.79,1313.58 207.89,1313.58 USB2.A0@207.89,973.42
SPI_CLK: FPC1.6 U2.21 | length 871
  Top Layer w6: FPC1.6 525.79,941.04 520.25,935.5 520.25,784.5 526.25,778.5 741.93,778.5 813.83,850.4 U2.21
SPI_MOSI: FPC1.5 U2.23 | length 909.3
  Top Layer w6: FPC1.5 525.69,960.74 506.25,941.3 506.25,778.7 520.45,764.5 747.73,764.5 794.25,811.03 U2.23
SW1: R15.1 SW3.1 U2.9 | length 742
  Top Layer w8: R15.1 1109.06,1451.5 SW3.1 962.46,1437.7 940,1415.24 940,1338 1062.13,1215.87 1062.13,1104.24 1070.68,1095.7 1094.85,1095.7 1107.55,1083 1150,1083 1177.31,1055.69 1177.31,1008.08 U2.9
SW2: R17.1 SW2.1 U2.10 | length 1148.1
  Top Layer w8: U2.10 1157.62,1008.08 1157.62,1046.73 1140.99,1063.36 1105.97,1063.36 1088.64,1080.7 1064.47,1080.7 1047,1098.17 1047,1209.79 896,1360.79 896,1455 960.5,1519.5 1119.83,1519.5 R17.1 1193.15,1451.5 SW2.1
SW3: R18.1 SW4.1 U2.40 | length 766.7
  Top Layer w10: U2.40 1178.41,485.39 1182.63,481.18 v1(1182.63,478.47) ; R18.1 1208.61,266.5 SW4.1
  Bottom Layer w10: v1(1182.63,478.47) 1182.63,226.34 1192.82,216.15 1284.35,216.15 1334.69,266.5 SW4.1
SW4: R19.1 SW5.1 U2.39 | length 587.2
  Top Layer w10: SW5.1 1129.76,266.5 R19.1 ; v1(1140.38,474.82) 1158.73,493.16 U2.39
  Bottom Layer w10: SW5.1 1028.5,266.5 1140.38,378.38 v1(1140.38,474.82)
SWCLK: U2.49
SWDIO: U2.46
UART_TX: pad. U2.42 | length 1117.5
  Top Layer w8: U2.42 1217.78,481.97 1221.25,478.5 v1(1221.25,475.5) ; v1(1223.41,242.33) 1271.2,194.53 ; 1310.21,194.53 1271.2,194.53 ; pad.@1954.29,222.87 1938.67,222.87 1910.33,194.53 1271.2,194.53
  Bottom Layer w8: v1(1221.25,475.5) 1222.68,474.08 1222.68,244 1223.41,243.28 v1(1223.41,242.33)
USB_DM: L3.1 R26.2 U2.58 | length 140.1
  Top Layer w10: U2.58 1521.86,811.03 cw(c1521.86,793.86) 1534,806 cw(c1524.31,796.31) 1538.02,796.31 L3.1@1538.02,788.55
USB_DP: L3.4 R25.1 U2.59 | length 179.5
  Top Layer w10: U2.59 1413.73,830.5 1520.73,830.5 cw(c1520.73,784.5) L3.4
USB_LDM: L1.1 R12.1 U2.44 | length 552.7
  Top Layer w6: R12.1 ccw(c890.62,576.5) 890.62,561.32 909,561.32 cw(c909,494.06) 976.25,494.06 976.25,474.5 ccw(c1000.25,474.5) 1000.25,450.5 1218.99,450.5 ccw(c1218.99,490.5) 1258.99,490.5 1258.99,520.11 ccw(c1252.99,520.08) 1258.98,520.42 cw(c1276.84,521.58) 1258.95,521.58 1258.95,550.32 ccw(c1252.95,550.32) 1257.17,554.59 U2.44
USB_LDP: L1.4 R11.1 U2.45 | length 566.6
  Top Layer w6: L1.4 cw(c893.39,536.01) 893.39,545.32 909,545.32 cw(c909,494.06) 960.25,494.06 960.25,474.5 ccw(c1000.25,474.5) 1000.25,434.5 1218.99,434.5 ccw(c1218.99,490.5) 1274.99,490.5 1274.99,520.11 cw(c1280.99,520.08) 1275,520.42 ccw(c1257.15,521.58) 1275.04,521.58 1275.04,551.75 cw(c1281.04,551.75) 1275.76,554.6 1276.84,554.6 U2.45
VDD: C3.2 C5.1 C15.2 C16.2 C17.2 C18.2 C19.2 C20.2 FPC1.7 pad.12 Q1.2 R1.1 R15.2 R17.2 R18.2 R19.2 R20.2 SW1.1 U1.3 U2.1 U2.13 U2.19 U2.32 U2.48 U2.64 | length 5731.3
  Top Layer w10: FPC1.7 763.51,921.67 811.67,921.67 v1(812,922) 813.18,920.82 826.18,920.82 845.5,901.5 878.25,901.5 C19.2 889.99,889.77 U2.19 ; C20.2 909.25,642.5 918.1,633.66 921.25,633.66 ; v1(897,1328) 897,1325.29 912.74,1309.55 Q1.2 ; R1.1 972.44,1125.5 988.16,1125.5 991.01,1122.65 C15.2 1021.01,1096.81 1056.46,1061.36 1085.35,1061.36 1098.95,1047.76 1098.95,1007.7 U2.13 ; v1(1026,1417) 1045.34,1397.66 R15.2 ; R17.2 R15.2 ; R18.2 1329.99,453.75 1329.99,456.86 C16.2 ; U2.48 1335.89,470.96 C16.2 ; U2.1 1335.89,1040.4 1352.4,1056.91 1431.91,1056.91 ; U2.64 1447.15,929.14 1459,940.99 1459,1029.81 1431.91,1056.91 ; v1(1490,424) 1382.85,424 C16.2 ; R15.2 1111.72,1317.9 R20.2 1521.82,1299.18 1564.12,1256.88 SW1.1 1493.01,1249.01 1474,1230 1474,1180.01 C18.2 1431.91,1137.92 C17.2 1431.91,1056.91
  Top Layer w20: v1(549,671) 733,671 761.5,642.5 C20.2 ; v1(812,467) 812,293 900,205 1149,205 1169.19,225.19 1169.19,325.03 ; Q1.2 953.33,1271.9 962.44,1262.8 R1.1 ; R19.2 1169.19,325.03 ; R18.2 1169.19,325.03
  Bottom Layer w10: v1(897,1328) 897,1482 918,1503 999,1503 1026,1476 v1(1026,1417) ; v1(1490,424) 1742,424 1871.7,294.3 pad.12
  Bottom Layer w20: v1(549,671) 550.25,672.25 550.25,984.5 C5.1 567.2,1001.45 U1.3 ; v1(812,467) 812.25,467 v1(812.25,643) 812.25,1067.25 920,1175 v1(956.75,1175)
VUSB_5VA: D2.1 USB1.A4 USB1.A9 USB1.B4 USB1.B9 | length 1361.4
  Top Layer w20: USB1.B4@425.54,460.7 381.54,460.7 345.7,496.54 345.7,613.47 378.54,646.3 USB1.B9@426.36,646.3 ; v1(472.39,695.93) v1@472.39,669.29 ; USB1.B9@426.36,646.3 429.73,649.67 453.86,649.67 ; USB1.B9@426.36,646.3 450.49,646.3 453.86,649.67 ; 453.86,649.67 459.36,655.17 ; 459.36,655.17 459.36,690.32 459.64,690.6 ; 459.36,655.17 461.44,657.25 ; 459.64,690.6 v1@487.64,718.6 ; 459.64,690.6 v1(459.64,719.14) 460.3,719.8 v1@487.75,719.8 ; 459.64,690.6 459.64,659.05 461.44,657.25 ; 461.44,657.25 v1(472.39,668.2) v1@472.39,669.29 ; v1@472.39,669.29 487.64,684.54 v1@487.64,718.6 ; v1@487.64,718.6 488.4,719.37 v1(488.4,720.45) v1@487.75,719.8 ; v1@487.64,718.6 487.64,719.68 v1@487.75,719.8
  Bottom Layer w20: 458.88,785.88 458.88,719.91 v1(459.64,719.14) ; v1(472.39,668.2) v1@472.39,669.29 ; v1(459.64,719.14) 459.64,787.61 ; v1(459.64,719.14) 460.41,718.38 460.41,681.27 v1@472.39,669.29 ; 459.64,787.61 468.75,778.5 ; 459.64,787.61 459.64,836.09 D2.1@472.39,848.84 ; 468.75,778.5 472.39,774.87 ; 468.75,778.5 468.75,776 472.39,772.37 ; v1@472.39,669.29 487.64,684.54 487.64,719.68 v1(488.4,720.45) ; v1@472.39,669.29 v1(472.39,695.93) 472.39,772.37 ; 472.39,772.37 472.39,774.87 ; 472.39,774.87 487.64,759.62 487.64,721.21 v1(488.4,720.45) ; 472.39,774.87 D2.1@472.39,848.84 ; D2.1@472.39,848.84 D2.1 488.4,833.15 v1(488.4,720.45)
VUSB_5VB: 
VUSB_5VB: D3.1 USB2.A4 USB2.A9 USB2.B4 USB2.B9 | length 936.5
  Top Layer w20: USB2.B9@427.1,1236.3 374.48,1236.3 362.76,1224.59 362.76,1065.24 379.26,1048.74 453.35,1048.74 ; v1(456.24,1021.64) v1@455.67,1022.2 ; 468.86,1046.41 466.52,1048.74 ; 453.35,1048.74 466.52,1048.74 ; 453.35,1048.74 455.47,1046.62 455.47,1034.51 ; 455.47,1034.51 455.67,1034.31 v1@455.67,1022.2 ; 455.47,1034.51 455.47,1022.4 v1@455.67,1022.2 ; v1@455.67,1022.2 455.67,997.01 v1(456.44,996.24) 457.2,997.01 463.93,997.01 466.52,999.6 ; 466.52,999.6 466.52,1048.74 ; 466.52,999.6 478.2,1011.27 v1(479.28,1011.27) 478.51,1012.03 v1(478.51,1037.32) 467.09,1048.74 466.52,1048.74
  Bottom Layer w20: v1(456.44,996.24) 467,1006.8 D3.1@467,1118.45 ; v1(456.44,996.24) 456.44,1021.44 v1(456.24,1021.64) 456.24,1107.69 D3.1@467,1118.45 ; v1(456.44,996.24) 464.25,996.24 v1(479.28,1011.27) 479.28,1117.27 D3.1 D3.1@467,1118.45
"": 
pads on no net: SW2.3 SW2.4 SW3.3 SW3.4 SW4.3 SW4.4 SW5.3 SW5.4 U2.2 U2.3 U2.4 U2.8 U2.11 U2.15 U2.17 U2.22 U2.27 U2.28 U2.29 U2.30 U2.33 U2.34 U2.35 U2.36 U2.37 U2.38 U2.41 U2.43 U2.50 U2.51 U2.52 U2.53 U2.54 U2.55 U2.56 U2.57 U2.61 U2.62 USB1. USB1.A8 USB1.B8 USB2. USB2.A6 USB2.A7 USB2.A8 USB2.B6 USB2.B7 USB2.B8 USB3.7 USB3.8

## Polygon pours and split planes (outlines as drawn)
GND on Bottom Layer "GND_L02_P015" (solid, remove dead copper, pour order 15): 110.95,244.07 ccw(c189.95,244.07) 189.95,165.06 2166.33,165.06 ccw(c2166.33,244.07) 2245.34,244.07 2245.34,1471.73 ccw(c2166.33,1471.73) 2166.33,1550.74 189.95,1550.74 ccw(c189.95,1471.73) 110.95,1471.73
LDO_INPUT on Bottom Layer "NONET_L-01_P-001" (solid, remove dead copper, pour order 12): 575,1409.5 520.5,1464 321,1464 244,1387 244,830 250,824 315,824 333,842 333,1349 363.5,1379.5 399.5,1379.5 589,1190 662,1190 710,1238 1347,1238 1363,1222 1363,1093 1396,1060 1628,1060 1638,1070 1638,1082 1608,1112 1483,1112 1458,1137 1458,1230 1382.5,1305.5 1329.5,1305.5 1278,1357 1079,1357 1028,1306 615,1306 575,1346
LDO_VOUT on Bottom Layer "L" (solid, remove dead copper, pour order 4): 1833,917 1859,943 1859,1193 1830,1222 1778,1222 1763.25,1207.25 1763.25,1007.25 1751,995 1664.5,995 1645,975.5 1483.25,975.5 1478.25,970.5 1479.25,969.5 1479.25,927.5 1647,927.5 1657.5,917
GND on Bottom Layer "GND_L02_P008" (solid, remove dead copper, pour order 8): 975.25,811.5 975.25,670.5 974.25,669.5 978.25,665.5 1330.25,665.5 1331.25,664.5 1336.25,669.5 1336.25,810.5 976.25,810.5
GND on Top Layer "GND_L01_P016" (solid, remove dead copper, pour order 16): 110.95,244.07 ccw(c189.95,244.07) 189.95,165.06 2166.33,165.06 ccw(c2166.33,244.07) 2245.34,244.07 2245.34,1471.73 ccw(c2166.33,1471.73) 2166.33,1550.74 189.95,1550.74 ccw(c189.95,1471.73) 110.95,1471.73

## Keep-outs
Keep-Out Layer:
  lines w5: 112.07,244.17 ccw(c190.81,244.17) 190.81,165.43 898.51,165.43 1024.5,165.43 1579.59,165.43 1693.75,165.43 2167.19,165.43 ccw(c2167.19,244.17) 2245.93,244.17 2245.93,1471.83 ccw(c2167.19,1471.83) 2167.19,1550.57 1678.04,1550.57 1548.12,1550.57 1024.53,1550.57 863.12,1550.57 190.81,1550.57 ccw(c190.81,1471.83) 112.07,1471.83 112.07,1320.86 112.07,1270.47 112.07,1019.29 112.07,968.9 112.07,747.11 112.07,696.71 112.07,445.53 112.07,395.14 112.07,244.17

## Other copper
Top Layer:
  pour cut-out: 792.33,498.06 792.33,606.41 793.35,607.43 906.17,607.43 910.8,609.61 910.8,497.89 909.58,496.67
  pour cut-out: 1520.52,694.4 1521.94,692.99 1581.78,692.99 1583.2,694.41 1583.2,797.45 1582.15,798.5 1520.52,798.5

## Silkscreen, mask and mechanical layers (free items; w line width, h text height)
Top Overlay:
  text "电源口" at 444.07,1328.88 h80
  text "输出接口" at 1926.07,1315.14 h80
  text "下载" at 1607.07,1248.77 h80
  text "键盘接口" at 1912.07,991.47 h80
  text "PC接口" at 472.39,703.41 h80
  text "GND" at 1756,294.33 h30
  text "VCC" at 1840.73,294.33 h30
  text "BOOT" at 2002,294.33 h30
  text "TX" at 1938,294 h30
Bottom Overlay:
  text "全链路延迟测试器" at 1670,487.99 h130
Bottom Solder:
  rectangle: 972.81,664.84 1338.84,808.08
Mechanical 1:
  lines w5: 112.07,244.17 ccw(c190.81,244.17) 190.81,165.43 2167.19,165.43 ccw(c2167.19,244.17) 2245.93,244.17 2245.93,1471.83 ccw(c2167.19,1471.83) 2167.19,1550.57 190.81,1550.57 ccw(c190.81,1471.83) 112.07,1471.83 112.07,1320.86 112.07,1270.47 112.07,1019.29 112.07,968.9 112.07,747.11 112.07,696.71 112.07,445.53 112.07,395.14 112.07,244.17
Mechanical 15:
  lines w5: 1179,165.43 1179,1550.57

## Text inside footprints (layer, text, board x,y; h text height)
USB3: Top Overlay "GND" at 1766.25,801.5 h30; Top Overlay "D+" at 1766.25,681.5 h30; Top Overlay "D-" at 1766.25,601.5 h30; Top Overlay "VCC" at 1766.25,481.5 h30